# Altium PCB Lancelot.PcbDoc (part 13 of 14)
Units mil, origin at the board's own origin, x right, y up, seen from the top; angles counter-clockwise.
Board outline 4837.61 x 3252.61 mil, 6 copper layers (Top Layer, Mid-Layer 1, Mid-Layer 2, Mid-Layer 3, Mid-Layer 4, Bottom Layer); 372 components, 275 nets, 2062 pads, 1350 vias.
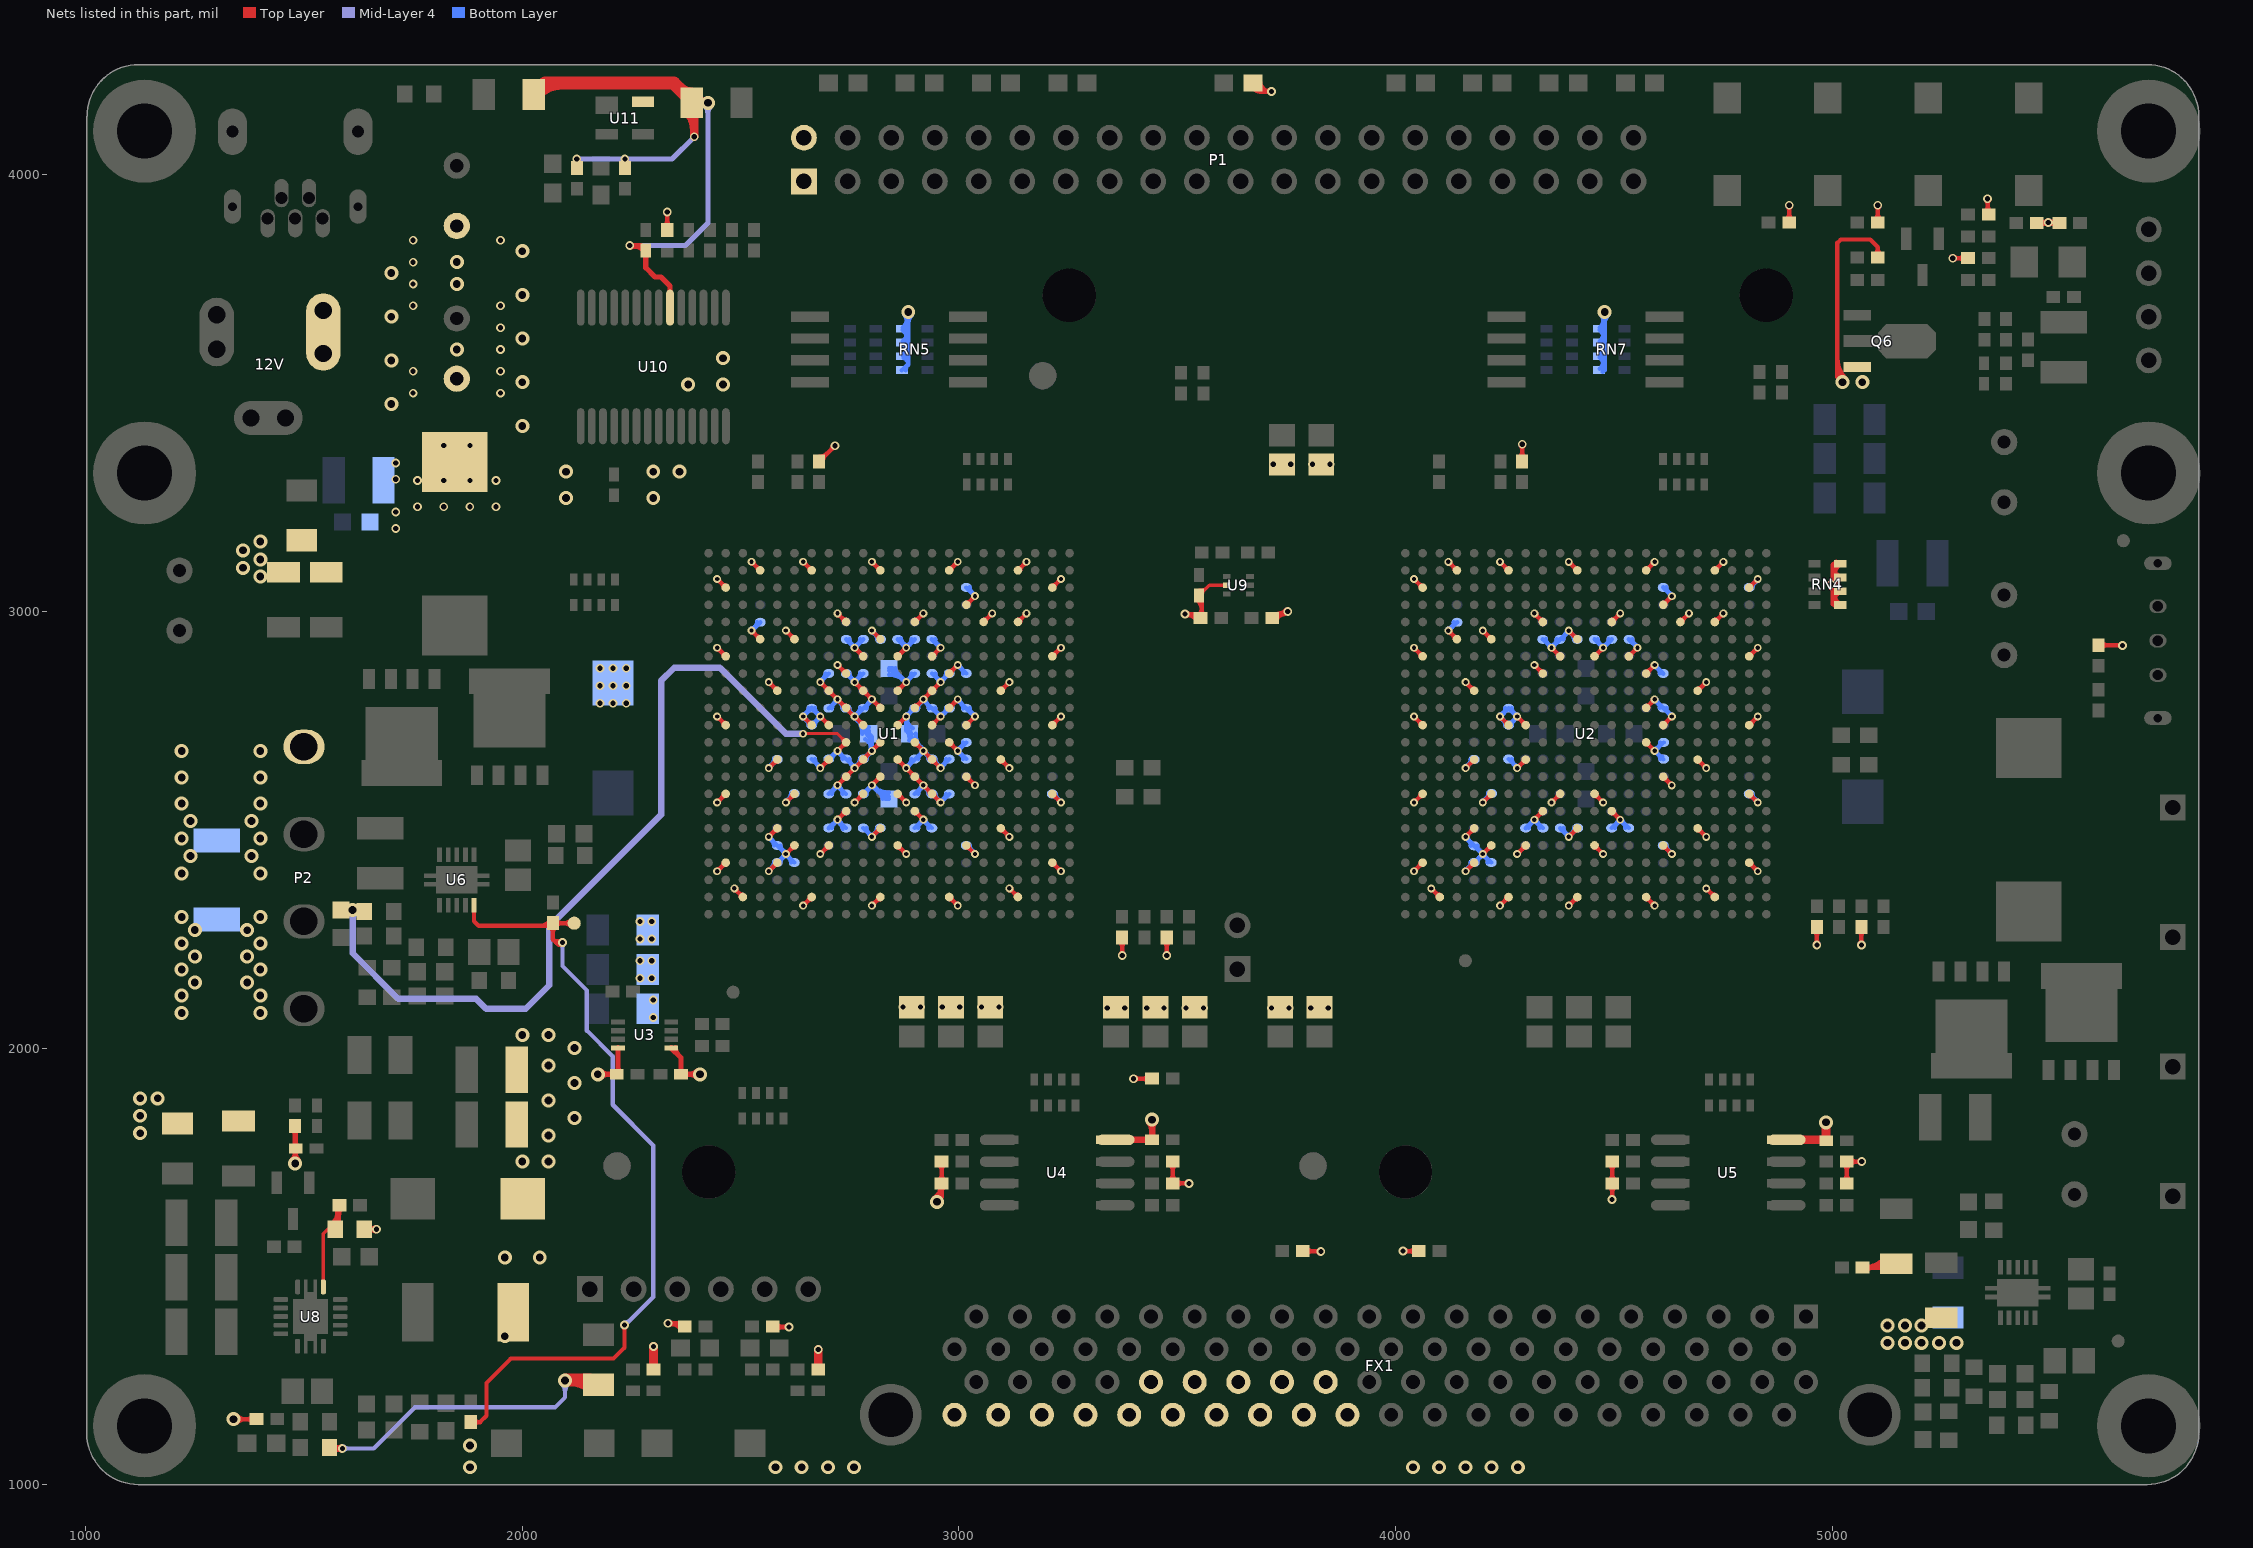
[diagram p17: the nets of this part, all layers, seen from the top]

## Via types
v1: diameter 18, hole 10, Top Layer to Bottom Layer, tented both sides, 625 vias
v2: diameter 20, hole 12, Top Layer to Bottom Layer, tented both sides, 515 vias
v3: diameter 32, hole 18, Top Layer to Bottom Layer, tented both sides, 191 vias
v4: diameter 23.62, hole 11.81, Top Layer to Bottom Layer, tented bottom, 10 vias
v5: diameter 19.68, hole 11.81, Top Layer to Bottom Layer, tented bottom, 4 vias
v6: diameter 118.11, hole 118.11, Top Layer to Bottom Layer, tented bottom, 2 vias
v7: diameter 78.74, hole 78.74, Top Layer to Bottom Layer, tented bottom, 2 vias
v8: diameter 50, hole 28, Top Layer to Bottom Layer, tented both sides, 1 vias

## Nets (pads, with @x,y where several pads share a name; then routed paths per layer and width w, separated by ;. In a path a pad name is that pad's centre, name@x,y a point inside that pad or via, vN(x,y) a via of type N, cw(c..) or ccw(c..) an arc to the next point about the centre after c; other vN are vias at no path point) (continued)
VCC3V3: (continued)
  Bottom Layer w10: v1@2524,2960.09 ccw(c2518.67,2980) C64.2@2536.53,2969.69 ; v1@2525.04,2960.22 ccw(c2525.04,2972.73) 2533.89,2963.89 ; v1@2525.23,2955.23 C64.2@2545,2975 ; 2532.2,2962.2 ccw(c2519.39,2975) C64.2@2537.5,2975 ; v1@2563.37,2408.9 ccw(c2558.76,2426.11) 2574.19,2417.2 ; v1@2563.37,2479.91 cw(c2558.72,2462.55) 2574.29,2471.54 ; v1@2563.37,2645.12 ccw(c2558.71,2662.52) 2574.31,2653.51 ; v1@2564.32,2404.95 v1(2564.41,2405.04) C134.2@2584.09,2424.72 ; v1@2564.32,2641.17 v1(2564.41,2641.26) C44.2@2584.09,2660.95 ; v1@2564.41,2409.04 ccw(c2564.41,2418.7) 2571.24,2411.87 ccw(c2578.07,2405.04) v1@2568.41,2405.04 ; v1@2564.41,2479.78 cw(c2564.41,2470.12) 2571.24,2476.95 cw(c2578.07,2483.78) v1@2568.41,2483.78 ; v1(2564.41,2483.78) C45.2@2584.18,2464.01 ; v1@2564.41,2645.26 ccw(c2564.41,2654.92) 2571.24,2648.09 ccw(c2578.07,2641.26) v1@2568.41,2641.26 ; 2570.94,2411.57 ccw(c2557.5,2425) C134.2@2576.5,2425 ; 2571.06,2477.12 cw(c2557.94,2464) C45.2@2576.5,2464 ; 2571.09,2647.94 ccw(c2558.03,2661) C44.2@2576.5,2661 ; C134.2@2584,2425 v1@2603.5,2444.5 ; C45.2@2584,2464 v1@2603.5,2444.5 ; C134.2@2591.5,2425 cw(c2609.61,2425) 2596.8,2437.8 ; C45.2@2591.5,2464 ccw(c2609.61,2464) 2596.8,2451.2 ; C134.2@2593.27,2431.69 cw(c2609.73,2422.19) v1@2604.81,2440.54 ; C45.2@2593.46,2456.98 ccw(c2609.65,2466.33) v1@2604.81,2448.27 ; 2596.32,2437.32 cw(c2603.78,2429.86) 2603.78,2440.41 cw(c2603.78,2431.2) 2610.29,2437.71 ; 2596.63,2451.37 ccw(c2603.78,2458.52) v1@2603.78,2448.41 ; 2597.08,2450.92 cw(c2590.57,2444.41) 2599.78,2444.41 cw(c2591.01,2444.41) 2597.21,2438.21 ; v1@2602.74,2440.54 cw(c2598.25,2423.78) 2613.28,2432.46 ; v1@2602.74,2566.38 ccw(c2598.46,2582.38) 2612.8,2574.1 ; v1@2603.69,2562.43 v1(2603.78,2562.52) C56.2@2623.46,2582.2 ; v1@2603.77,2444.77 v1@2603.5,2444.5 ; v1@2603.78,2566.52 ccw(c2603.78,2576.18) 2610.61,2569.35 ccw(c2617.44,2562.52) v1@2607.78,2562.52 ; v1@2607.78,2444.41 ccw(c2617.89,2444.41) 2610.74,2437.26 ; v1@2609.31,2568.05 ccw(c2594.35,2583) C56.2@2615.5,2583 ; 2610.2,2437.8 cw(c2597.39,2425) C57.2@2615.5,2425 ; C57.2@2623,2425 v1@2603.5,2444.5 ; v1@2642.11,2755.51 cw(c2637.22,2737.26) C36.2@2653.58,2746.71 ; v1@2642.11,2763.23 ccw(c2637.05,2782.12) C53.2@2653.98,2772.34 ; v1@2643.06,2759.28 v1(2643.15,2759.37) ; v1@2643.06,2759.46 v1(2643.15,2759.37) ; v1@2643.15,2755.37 cw(c2643.15,2745.71) 2649.98,2752.54 cw(c2656.81,2759.37) 2647.15,2759.37 cw(c2656.8,2759.37) 2649.98,2766.2 cw(c2643.15,2773.03) v1@2643.15,2763.37 ; 2650.54,2751.98 cw(c2638.55,2740) C36.2@2655.5,2740 ; 2651.06,2767.28 ccw(c2640.34,2778) C53.2@2655.5,2778 ; C36.2@2662.83,2739.69 2662.76,2739.76 v1(2643.15,2759.37) ; C53.2@2662.83,2779.06 v1(2643.15,2759.37) ; C54.2@2663,2662 v1@2682.77,2642.23 ; C36.2@2663,2740 v1@2682,2759 ; C53.2@2663,2778 v1@2682,2759 ; C54.2@2670.5,2662 ccw(c2688.61,2662) 2675.8,2649.2 ; C36.2@2670.5,2740 cw(c2688.61,2740) 2675.8,2752.8 ccw(c2669.22,2759.37) v1@2678.52,2759.37 ; C53.2@2670.5,2778 ccw(c2688.61,2778) v1@2675.8,2765.2 ; C53.2@2671.67,2772.35 ccw(c2688.62,2782.14) v1@2683.55,2763.23 ; C36.2@2672.44,2746.98 cw(c2688.29,2737.83) v1@2683.55,2755.51 ; 2673.86,2652.56 ccw(c2687.69,2660.54) v1@2683.55,2645.12 ; 2674.17,2766.83 ccw(c2682.52,2775.18) v1@2682.52,2763.37 ; 2674.83,2650.17 cw(c2665.91,2641.26) v1@2678.52,2641.26 ; 2675.44,2752.44 cw(c2682.52,2745.36) v1@2682.52,2755.37 ; v1@2682.77,2758.23 v1@2682,2759 ; v1@2682.77,2759.77 v1@2682,2759 ; C55.2@2702.12,2503.38 v1(2721.89,2523.15) ; C55.2@2709.5,2504 cw(c2725.82,2504) 2714.28,2515.54 ; C55.2@2711.29,2510.36 cw(c2727.88,2500.77) v1@2722.92,2519.28 ; v1@2717.89,2523.15 cw(c2708.23,2523.15) 2715.06,2516.32 cw(c2721.89,2509.49) 2721.89,2519.15 cw(c2721.89,2508.38) 2729.51,2515.99 ; v1@2720.01,2519.62 cw(c2705.94,2493.09) C48.2@2734.65,2501.89 ; v1@2721.73,2523.77 C48.2@2741.5,2504 ; 2728.7,2516.8 cw(c2715.89,2504) C48.2@2734,2504 ; C37.2@2742,2936 v1@2761.2,2916.8 ; C37.2@2749.5,2936 ccw(c2767.61,2936) 2754.8,2923.2 ; C37.2@2751.42,2929.06 ccw(c2766.93,2938.02) v1@2762.29,2920.72 ; 2754.24,2923.76 ccw(c2761.26,2930.77) 2761.26,2920.85 ccw(c2761.26,2930.51) 2768.09,2923.68 ccw(c2774.91,2916.85) v1@2765.26,2916.85 ; 2754.51,2923.49 cw(c2747.87,2916.85) v1@2757.26,2916.85 ; v1@2760.22,2920.72 ccw(c2755.21,2939.44) C38.2@2771.99,2929.75 ; v1@2761.77,2916.23 v1@2761.2,2916.8 ; 2769.04,2924.63 ccw(c2757.67,2936) C38.2@2773.75,2936 ; C38.2@2780.94,2936.54 v1@2761.2,2916.8 ; C49.2@2781,2504 v1@2800.77,2484.23 ; C49.2@2788.5,2504 ccw(c2806.61,2504) 2793.8,2491.2 ; 2791.24,2495.64 ccw(c2806.11,2504.23) v1@2801.66,2487.64 ; 2793.38,2491.62 cw(c2785.54,2483.78) v1@2796.63,2483.78 ; v1@2799.59,2487.64 ccw(c2795.16,2504.17) 2809.98,2495.62 ; v1@2799.59,2952.36 cw(c2794.96,2935.08) 2810.46,2944.02 ; v1(2800.63,2483.78) C43.2@2820.4,2503.55 ; v1@2800.63,2487.78 ccw(c2800.63,2497.44) 2807.46,2490.61 ccw(c2814.29,2483.78) v1@2804.63,2483.78 ; v1@2800.63,2952.22 cw(c2800.63,2943.41) 2806.86,2949.64 ; v1@2800.73,2955.77 C58.2@2820.5,2936 ; v1@2804.63,2956.22 ccw(c2815.13,2956.22) 2807.71,2948.79 cw(c2794.89,2936) C58.2@2813,2936 ; v1@2806.6,2489.75 ccw(c2792.34,2504) C43.2@2812.5,2504 ; C52.2@2859.75,2936 v1@2879.38,2916.38 ; C52.2@2866.6,2938.11 ccw(c2895.32,2946.92) v1@2881.25,2920.39 ; C52.2@2867.25,2936 ccw(c2885.36,2936) 2872.55,2923.2 ; RN5.1@2869.47,3552.76 2884.47,3567.76 ; RN5.2@2871.67,3586.98 ccw(c2840.75,3617.9) 2884.47,3617.9 ; RN5.3@2871.67,3613.02 cw(c2840.75,3582.1) 2884.47,3582.1 ; RN5.3@2871.67,3618.48 ccw(c2840.75,3649.39) 2884.47,3649.39 ; RN5.4@2871.67,3644.52 cw(c2840.75,3613.6) 2884.47,3613.6 ; RN5.4@2871.67,3649.97 ccw(c2840.75,3680.89) v3@2884.47,3680.89 ; 2871.74,2924.01 ccw(c2879.37,2931.65) 2879.37,2920.85 ccw(c2879.37,2931.67) 2887.02,2924.02 ; RN5.2@2873.17,3580.59 cw(c2867.96,3564.92) 2884.47,3564.92 ; v3@2875.62,3678.88 cw(c2861.43,3666.82) 2879.41,3662.01 ; v3@2876.22,3678.22 cw(c2856.3,3658.3) 2884.47,3658.3 ; RN5.2@2876.33,3590.08 cw(c2872.58,3578.79) 2884.47,3578.79 ; RN5.1@2878.25,3552.76 cw(c2899.45,3552.76) 2884.46,3567.74 ; v1@2878.34,2920.72 ccw(c2873.42,2939.07) C40.2@2889.88,2929.57 ; RN5.2@2878.74,3579.91 ccw(c2864.89,3593.76) 2884.47,3593.76 ; RN5.3@2878.74,3611.41 ccw(c2864.89,3625.25) 2884.47,3625.25 ; RN5.3@2878.74,3620.09 cw(c2864.89,3606.24) 2884.47,3606.24 ; RN5.4@2878.74,3642.9 ccw(c2864.89,3656.75) 2884.47,3656.75 ; RN5.4@2878.74,3651.59 cw(c2864.89,3637.74) 2884.47,3637.74 ; v1@2879.23,2916.23 v1@2879.38,2916.38 ; v1@2879.52,2916.23 v1@2879.38,2916.38 ; 2879.96,3664.04 cw(c2899.74,3658.73) v3@2889.5,3676.47 ; v3(2884,3686) 2884.47,3685.53 2884.47,3567.76 ; 2884.47,3660.58 cw(c2909.42,3660.58) v3@2891.78,3678.22 ; 2886.2,2923.2 ccw(c2873.39,2936) C40.2@2891.5,2936 ; C50.2@2899,2504 v1@2918.5,2523.5 ; C40.2@2899,2936 v1@2879.38,2916.38 ; C50.2@2906.5,2504 cw(c2924.61,2504) 2911.8,2516.8 ; C50.2@2908.03,2510.27 cw(c2924.78,2500.61) v1@2919.78,2519.29 ; 2910.9,2515.9 cw(c2918.74,2508.06) 2918.74,2519.15 cw(c2918.74,2509.23) 2925.76,2516.24 ; v1@2917.71,2519.29 cw(c2913.07,2501.98) C47.2@2928.58,2510.94 ; v1@2918.23,2523.77 v1@2918.5,2523.5 ; v1@2918.77,2523.77 v1@2918.5,2523.5 ; v1@2922.74,2523.15 ccw(c2932.13,2523.15) 2925.49,2516.51 ; 2925.2,2516.8 cw(c2912.39,2504) C47.2@2930.5,2504 ; C47.2@2938,2504 v1@2918.5,2523.5 ; C65.2@2938,2936 v1@2957.77,2916.23 ; C65.2@2945.5,2936 ccw(c2963.61,2936) 2950.8,2923.2 ; C65.2@2946.74,2930.24 ccw(c2964.43,2940.45) v1@2959.15,2920.72 ; 2949.64,2924.36 ccw(c2958.11,2932.83) v1@2958.11,2920.85 ; v1@2996.45,2676.77 cw(c2991.38,2657.86) C42.2@3008.33,2667.65 ; v1@2996.45,2684.49 ccw(c2991.71,2702.17) C35.2@3007.56,2693.02 ; v1@2996.45,2794.88 cw(c2992.31,2779.46) 3006.14,2787.44 ; v1@2996.45,2873.62 cw(c2991.76,2856.12) 3007.44,2865.18 ; v1@2997.23,2680.23 v1@2998,2681 ; v1@2997.23,2681.77 v1@2998,2681 ; v1@2997.23,2797.77 C41.2@3017,2778 v1@3036.77,2758.23 ; v1@2997.23,2877.77 C39.2@3017,2858 ; v1@2997.48,2676.63 cw(c2997.48,2664.82) 3005.83,2673.17 ; v1@2997.48,2684.63 ccw(c2997.48,2694.64) 3004.56,2687.56 ; v1@2997.48,2873.48 cw(c2997.48,2863.73) 3004.37,2870.63 ; v1@3001.48,2680.63 cw(c3010.78,2680.63) 3004.21,2687.21 ccw(c2991.39,2700) C35.2@3009.5,2700 ; v1@3001.48,2798.74 ccw(c3014.09,2798.74) 3005.17,2789.83 ; v1@3001.48,2877.48 ccw(c3011.05,2877.48) 3004.28,2870.72 ; v1@3004.2,2674.8 cw(c2991.39,2662) C42.2@3009.5,2662 ; 3004.2,2790.8 cw(c2991.39,2778) C41.2@3009.5,2778 ; 3004.2,2870.8 cw(c2991.39,2858) C39.2@3009.5,2858 ; C42.2@3017,2662 v1@2998,2681 ; C35.2@3017,2700 v1@2998,2681 ; C63.2@3017.08,2464.18 v1(3036.85,2444.41) ; C51.2@3017.08,3054.73 v1(3036.85,3034.96) ; C63.2@3024.5,2464 ccw(c3041.98,2464) 3029.62,2451.64 ; C41.2@3024.5,2778 ccw(c3042.61,2778) 3029.8,2765.2 ; C51.2@3024.5,3055 ccw(c3043.06,3055) 3029.94,3041.88 ; C41.2@3025.41,2772.81 ccw(c3043.21,2783.09) v1@3037.89,2763.23 ; C63.2@3026.54,2456.98 ccw(c3042.72,2466.33) v1@3037.89,2448.27 ; 3026.78,3047.35 ccw(c3042.62,3056.5) v1@3037.89,3038.83 ; 3027.94,2767.06 ccw(c3036.85,2775.98) v1@3036.85,2763.37 ; v1@3032.85,2444.41 ccw(c3023.19,2444.41) 3030.02,2451.24 ccw(c3036.85,2458.07) v1@3036.85,2448.41 ; v1@3032.85,3034.96 ccw(c3023.19,3034.96) 3030.02,3041.79 ccw(c3036.85,3048.62) v1@3036.85,3038.96 ; C46.2@3213.93,2582.29 v1(3233.7,2562.52) ; C46.2@3221.5,2582 ccw(c3239.07,2582) 3226.65,2569.57 ; C46.2@3223.52,2574.99 ccw(c3239.52,2584.23) v1@3234.74,2566.38 ; v1@3229.7,2562.52 ccw(c3220.04,2562.52) 3226.87,2569.35 ccw(c3233.7,2576.18) v1@3233.7,2566.52 ; v1@4120,2960.01 ccw(c4114.68,2979.84) C108.2@4132.46,2969.58 ; v1@4121.03,2960.15 ccw(c4121.03,2972.51) 4129.77,2963.77 ; v1@4121.23,2955.23 C108.2@4141,2975 ; 4128.2,2962.2 ccw(c4115.39,2975) C108.2@4133.5,2975 ; v1@4159.37,2408.83 ccw(c4154.86,2425.65) 4169.94,2416.94 ; v1@4159.37,2479.84 cw(c4154.92,2463.26) 4169.79,2471.84 ; v1@4159.37,2645.05 ccw(c4154.72,2662.4) 4170.27,2653.42 ; v1@4160.23,2405.23 C124.2@4180,2425 v1@4199,2444 ; v1@4160.4,2479.71 cw(c4160.4,2470.05) 4167.23,2476.88 cw(c4174.06,2483.71) v1@4164.4,2483.71 ; v1(4160.4,2483.71) C129.2@4180.17,2463.94 ; v1(4160.4,2641.19) C117.2@4180.17,2660.96 ; v1@4160.4,2645.19 ccw(c4160.4,2654.84) 4167.23,2648.02 ccw(c4174.06,2641.19) v1@4164.4,2641.19 ; v1@4164.4,2404.97 cw(c4175.1,2404.97) 4167.54,2412.54 ; v1@4166.41,2477.7 cw(c4151.72,2463) C129.2@4172.5,2463 ; 4167.05,2647.83 ccw(c4153.88,2661) C117.2@4172.5,2661 ; 4167.2,2412.2 ccw(c4154.39,2425) C124.2@4172.5,2425 ; C129.2@4180,2463 v1@4199,2444 ; C124.2@4187.5,2425 cw(c4205.61,2425) 4192.8,2437.8 ; C129.2@4187.5,2463 ccw(c4205.61,2463) 4192.8,2450.2 ; C129.2@4188.51,2457.64 ccw(c4206.05,2467.77) v1@4200.81,2448.2 ; C124.2@4189.21,2431.57 cw(c4205.75,2422.02) v1@4200.81,2440.47 ; 4191.05,2451.95 ccw(c4199.77,2460.67) v1@4199.77,2448.34 ; 4192.2,2437.2 cw(c4199.77,2429.64) 4199.77,2440.34 cw(c4199.77,2430.94) 4206.41,2437.59 ; v1@4198.74,2440.47 cw(c4194.21,2423.57) 4209.36,2432.32 ; v1@4198.74,2566.31 ccw(c4193.91,2584.33) 4210.06,2575 ; v1@4199.23,2444.77 v1@4199.5,2444.5 ; v1@4199.77,2443.23 v1@4199,2444 ; v1@4199.77,2444.77 v1@4199.5,2444.5 ; v1(4199.77,2562.45) C133.2@4219.54,2582.22 ; v1@4199.77,2566.45 ccw(c4199.77,2576.1) 4206.6,2569.28 ccw(c4213.43,2562.45) v1@4203.77,2562.45 ; v1@4203.77,2444.34 ccw(c4213.69,2444.34) 4206.68,2437.32 ; 4206.2,2437.8 cw(c4193.39,2425) C107.2@4211.5,2425 ; 4206.97,2569.65 ccw(c4193.61,2583) C133.2@4212.5,2583 ; C107.2@4219,2425 v1@4199.5,2444.5 ; v1@4238.11,2755.44 cw(c4233.2,2737.11) C122.2@4249.62,2746.6 ; v1@4238.11,2763.16 ccw(c4232.81,2782.92) C102.2@4250.53,2772.69 ; v1@4239.05,2759.39 v1(4239.14,2759.3) v1@4239.72,2758.72 ; v1@4239.14,2755.3 cw(c4239.14,2745.64) 4245.97,2752.47 cw(c4252.8,2759.3) v1@4243.14,2759.3 ; v1@4239.14,2763.3 ccw(c4239.14,2775.76) 4247.95,2766.95 ; v1@4239.23,2758.23 v1@4239.72,2758.72 ; 4246.2,2765.2 ccw(c4233.39,2778) C102.2@4251.5,2778 ; 4246.59,2751.85 cw(c4234.74,2740) C122.2@4251.5,2740 ; C122.2@4258.74,2739.53 C122.2@4258.83,2739.62 ; C116.2@4259,2662 v1@4278.77,2642.23 ; C116.2@4266.5,2662 ccw(c4284.61,2662) 4271.8,2649.2 ; C122.2@4266.5,2740 cw(c4284.1,2740) 4271.65,2752.44 ; C102.2@4266.5,2778 ccw(c4284.61,2778) v1@4271.8,2765.2 ; C102.2@4267.75,2772.21 ccw(c4284.57,2781.93) v1@4279.55,2763.16 ; C122.2@4268.48,2746.94 cw(c4284.26,2737.83) v1@4279.55,2755.44 ; 4269.94,2652.42 ccw(c4283.64,2660.33) v1@4279.55,2645.05 ; 4270.3,2766.7 ccw(c4278.51,2774.92) v1@4278.51,2763.3 ; 4270.76,2650.24 cw(c4261.71,2641.19) v1@4274.51,2641.19 ; v1@4274.51,2759.3 cw(c4264.85,2759.3) 4271.68,2752.47 cw(c4278.51,2745.64) v1@4278.51,2755.3 ; v1(4278.51,2759.3) v1@4278.11,2758.89 ; v1@4278.77,2758.23 v1@4278.11,2758.89 ; C127.2@4298.11,2503.31 v1(4317.88,2523.08) ; C127.2@4305.5,2504 cw(c4321.67,2504) 4310.24,2515.43 ; C127.2@4307.25,2510.26 cw(c4323.89,2500.66) v1@4318.92,2519.21 ; v1@4313.88,2523.08 cw(c4304.22,2523.08) 4311.05,2516.25 cw(c4317.88,2509.42) 4317.88,2519.08 cw(c4317.88,2507.71) 4325.92,2515.75 ; v1@4316.85,2519.21 cw(c4311.77,2500.29) C114.2@4328.74,2510.09 ; v1@4317.89,2523.77 C114.2@4337.67,2504 ; 4324.86,2516.8 cw(c4312.06,2504) C114.2@4330.17,2504 ; C111.2@4337.57,2936.46 v1(4357.25,2916.78) 4357.34,2916.69 C121.2@4377.11,2936.46 ; C111.2@4344.5,2936 ccw(c4360.12,2936) 4349.07,2924.96 ; C111.2@4346.22,2929.9 ccw(c4363.43,2939.84) v1@4358.29,2920.64 ; v1@4353.25,2916.78 ccw(c4343.59,2916.78) 4350.42,2923.61 ccw(c4357.25,2930.44) 4357.25,2920.78 ccw(c4357.25,2930.86) 4364.38,2923.73 ; v1@4356.22,2920.64 ccw(c4351.53,2938.12) C121.2@4367.2,2929.08 ; v1@4361.25,2916.78 cw(c4370.48,2916.78) 4363.96,2923.31 ; 4363.76,2923.12 ccw(c4350.88,2936) C121.2@4369.1,2936 ; C121.2@4376.6,2936 v1@4396.37,2955.77 ; C112.2@4376.85,2503.48 v1(4396.62,2483.71) C132.2@4416.39,2503.48 ; C121.2@4384.1,2936 cw(c4402.21,2936) 4389.4,2948.8 ; C112.2@4384.83,2504 ccw(c4405.36,2504) v1@4390.85,2489.48 ; 4386.45,2943.69 cw(c4402.43,2934.46) v1@4397.66,2952.29 ; 4387.41,2495.43 ccw(c4402.02,2503.87) v1@4397.66,2487.57 ; 4389.7,2949.1 ccw(c4382.65,2956.15) v1@4392.62,2956.15 ; 4390.01,2949.41 cw(c4396.62,2942.81) 4396.62,2952.15 cw(c4396.62,2942.49) 4403.45,2949.32 cw(c4410.28,2956.15) v1@4400.62,2956.15 ; v1@4392.62,2483.71 ccw(c4382.96,2483.71) 4389.79,2490.54 ccw(c4396.62,2497.36) 4396.62,2487.71 ccw(c4396.62,2497.36) 4403.45,2490.54 ccw(c4410.28,2483.71) v1@4400.62,2483.71 ; v1@4395.59,2487.57 ccw(c4390.62,2506.12) 4407.24,2496.52 ; v1@4395.59,2952.29 cw(c4391.03,2935.27) 4406.28,2944.08 ; v1(4396.62,2956.15) C103.2@4416.39,2936.38 ; 4402.99,2949.78 cw(c4389.21,2936) C103.2@4408.7,2936 ; 4404.26,2491.34 ccw(c4391.6,2504) C132.2@4409.5,2504 ; C109.2@4455.59,2936.55 v1(4475.36,2916.78) ; C109.2@4463.3,2936 ccw(c4480.58,2936) 4468.36,2923.78 ; C109.2@4465.22,2929.22 ccw(c4481.16,2938.43) v1@4476.4,2920.64 ; RN7.1@4467.67,3555.48 ccw(c4439.16,3583.99) 4479.47,3583.99 ; RN7.2@4467.67,3581.52 cw(c4439.16,3553.02) 4479.47,3553.02 ; RN7.2@4467.67,3586.98 ccw(c4439.16,3615.48) 4479.47,3615.48 ; RN7.3@4467.67,3613.02 cw(c4439.16,3584.52) 4479.47,3584.52 ; RN7.3@4467.67,3618.48 ccw(c4439.16,3646.98) 4479.47,3646.98 ; RN7.4@4467.67,3644.52 cw(c4439.16,3616.01) 4479.47,3616.01 ; RN7.4@4467.67,3649.97 ccw(c4439.16,3678.48) v3@4479.47,3678.48 ; v3@4471.04,3678.4 cw(c4458.81,3666.72) 4475.15,3662.34 ; v3@4471.22,3678.22 cw(c4451.3,3658.3) 4479.47,3658.3 ; v1@4471.36,2916.78 ccw(c4461.71,2916.78) 4468.53,2923.61 ccw(c4475.36,2930.44) 4475.36,2920.78 ccw(c4475.36,2932.41) 4483.59,2924.19 ; v1@4474.33,2920.64 ccw(c4469.13,2940.05) C120.2@4486.53,2930.01 ; RN7.1@4474.74,3548.41 ccw(c4463.3,3559.85) 4479.47,3559.85 ; RN7.2@4474.74,3579.91 ccw(c4463.3,3591.34) 4479.47,3591.34 ; RN7.2@4474.74,3588.6 cw(c4463.3,3577.16) 4479.47,3577.16 ; RN7.3@4474.74,3611.41 ccw(c4463.3,3622.84) 4479.47,3622.84 ; RN7.3@4474.74,3620.09 cw(c4463.3,3608.66) 4479.47,3608.66 ; RN7.4@4474.74,3642.9 ccw(c4463.3,3654.33) 4479.47,3654.33 ; RN7.4@4474.74,3651.59 cw(c4463.3,3640.15) 4479.47,3640.15 ; v1@4475.63,2916.23 C120.2@4495.4,2936 ; 4475.95,3665.33 cw(c4493.67,3660.58) v3@4484.5,3676.47 ; v3(4479,3686) 4479.47,3685.53 4479.47,3552.76 ; 4479.47,3660.58 cw(c4504.42,3660.58) v3@4486.78,3678.22 ; 4482.6,2923.2 ccw(c4469.79,2936) C120.2@4487.9,2936 ; C128.2@4495,2504 v1@4514.5,2523.5 ; C128.2@4502.5,2504 cw(c4520.61,2504) 4507.8,2516.8 ; C128.2@4503.97,2510.16 cw(c4520.8,2500.44) v1@4515.77,2519.21 ; 4506.79,2515.79 cw(c4514.73,2507.84) 4514.73,2519.08 cw(c4514.73,2508.96) 4521.88,2516.12 ; v1@4513.7,2519.21 cw(c4509.02,2501.77) C115.2@4524.66,2510.8 ; v1@4514.23,2523.77 v1@4514.5,2523.5 ; v1@4514.77,2523.77 v1@4514.5,2523.5 ; v1@4518.73,2523.08 ccw(c4527.93,2523.08) 4521.43,2516.57 ; 4521.2,2516.8 cw(c4508.39,2504) C115.2@4526.5,2504 ; C115.2@4534,2504 v1@4514.5,2523.5 ; C110.2@4534.33,2936.55 v1(4554.1,2916.78) ; C110.2@4542.5,2936 ccw(c4560.89,2936) v1@4547.89,2923 ; 4544.56,2928.76 ccw(c4559.65,2937.48) v1@4555.14,2920.64 ; v1@4550.1,2916.78 ccw(c4540.45,2916.78) 4547.27,2923.61 ccw(c4554.1,2930.44) v1@4554.1,2920.78 ; v1@4592.44,2684.42 ccw(c4586.96,2704.86) C113.2@4605.29,2694.28 ; v1@4592.44,2794.81 cw(c4587.83,2777.6) 4603.25,2786.51 ; v1@4592.44,2873.55 cw(c4587.74,2856) C101.2@4603.47,2865.08 ; v1@4593.23,2798.77 C123.2@4613,2779 ; v1@4593.47,2676.56 cw(c4593.47,2666.9) 4600.3,2673.73 cw(c4607.13,2680.56) v1@4597.47,2680.56 ; v1(4593.47,2680.56) C119.2@4613.25,2660.79 ; v1@4593.47,2684.56 ccw(c4593.47,2696.83) 4602.15,2688.15 ; v1@4593.47,2794.67 cw(c4593.47,2785.36) 4600.06,2791.94 ; v1@4593.47,2873.41 cw(c4593.47,2863.75) 4600.3,2870.58 ; v1(4593.47,2877.41) C101.2@4613.25,2857.64 ; v1@4594.23,2680.23 C113.2@4614,2700 ; v1@4597.47,2798.67 ccw(c4607.48,2798.67) 4600.4,2791.6 ; v1@4597.47,2877.41 ccw(c4607.13,2877.41) 4600.3,2870.58 ; 4600.2,2791.8 cw(c4587.39,2779) C123.2@4605.5,2779 ; 4601.2,2687.2 ccw(c4588.39,2700) C113.2@4606.5,2700 ; 4602.59,2671.44 cw(c4593.15,2662) C119.2@4606.5,2662 ; 4603.87,2670.16 ccw(c4611.5,2677.79) C119.2@4611.5,2667 ; C101.2@4605.5,2858 ccw(c4587.67,2858) 4600.28,2870.6 ; C106.2@4613,2464 v1@4632.77,2444.23 ; C105.2@4613,3055 v1@4632.77,3035.23 ; C123.2@4613.07,2779.07 v1(4632.84,2759.3) ; C106.2@4620.5,2464 ccw(c4638.61,2464) 4625.8,2451.2 ; C123.2@4620.5,2779 ccw(c4638.26,2779) 4625.7,2766.44 ; C105.2@4620.5,3055 ccw(c4638.61,3055) 4625.8,3042.2 ; C106.2@4622.49,2456.94 ccw(c4638.74,2466.33) v1@4633.88,2448.2 ; 4622.6,2771.82 ccw(c4638.69,2781.11) v1@4633.88,2763.16 ; 4622.95,3047.14 ccw(c4638.54,3056.14) v1@4633.88,3038.75 ; 4625.71,2451.29 ccw(c4632.84,2458.43) v1@4632.84,2448.34 ; 4625.83,3042.17 cw(c4618.55,3034.89) v1@4628.84,3034.89 ; 4626.14,2450.86 cw(c4619.62,2444.34) v1@4628.84,2444.34 ; 4626.47,3041.53 ccw(c4632.84,3047.91) v1@4632.84,3038.89 ; v1@4628.84,2759.3 ccw(c4619.19,2759.3) 4626.02,2766.13 ccw(c4632.84,2772.96) v1@4632.84,2763.3 ; C104.2@4809.92,2582.22 v1(4829.69,2562.45) ; C118.2@4809.92,3054.49 v1(4829.69,3074.26) ; C104.2@4817.5,2582 ccw(c4835.26,2582) 4822.7,2569.44 ; C118.2@4817.5,3055 cw(c4834.56,3055) 4822.5,3067.06 ; C118.2@4819.4,3061.71 cw(c4835.56,3052.38) v1@4830.73,3070.4 ; 4819.56,2574.88 ccw(c4835.49,2584.08) v1@4830.73,2566.31 ; v1@4825.69,2562.45 ccw(c4816.04,2562.45) 4822.87,2569.28 ccw(c4829.69,2576.1) v1@4829.69,2566.45 ; v1@4825.69,3074.26 cw(c4816.04,3074.26) 4822.87,3067.43 cw(c4829.69,3060.6) v1@4829.69,3070.26 ; v1@4199,2444 v1@4199.5,2444.5 ; v1@4239.72,2758.72 4258.72,2739.72 C122.2@4258.83,2739.62 ; v1@4239.72,2758.72 C102.2@4259,2778 v1@4278.11,2758.89 ; C122.2@4258.83,2739.62 v1@4278.11,2758.89